# Altium PCB RFMC.PcbDoc (part 1 of 5) (continued)
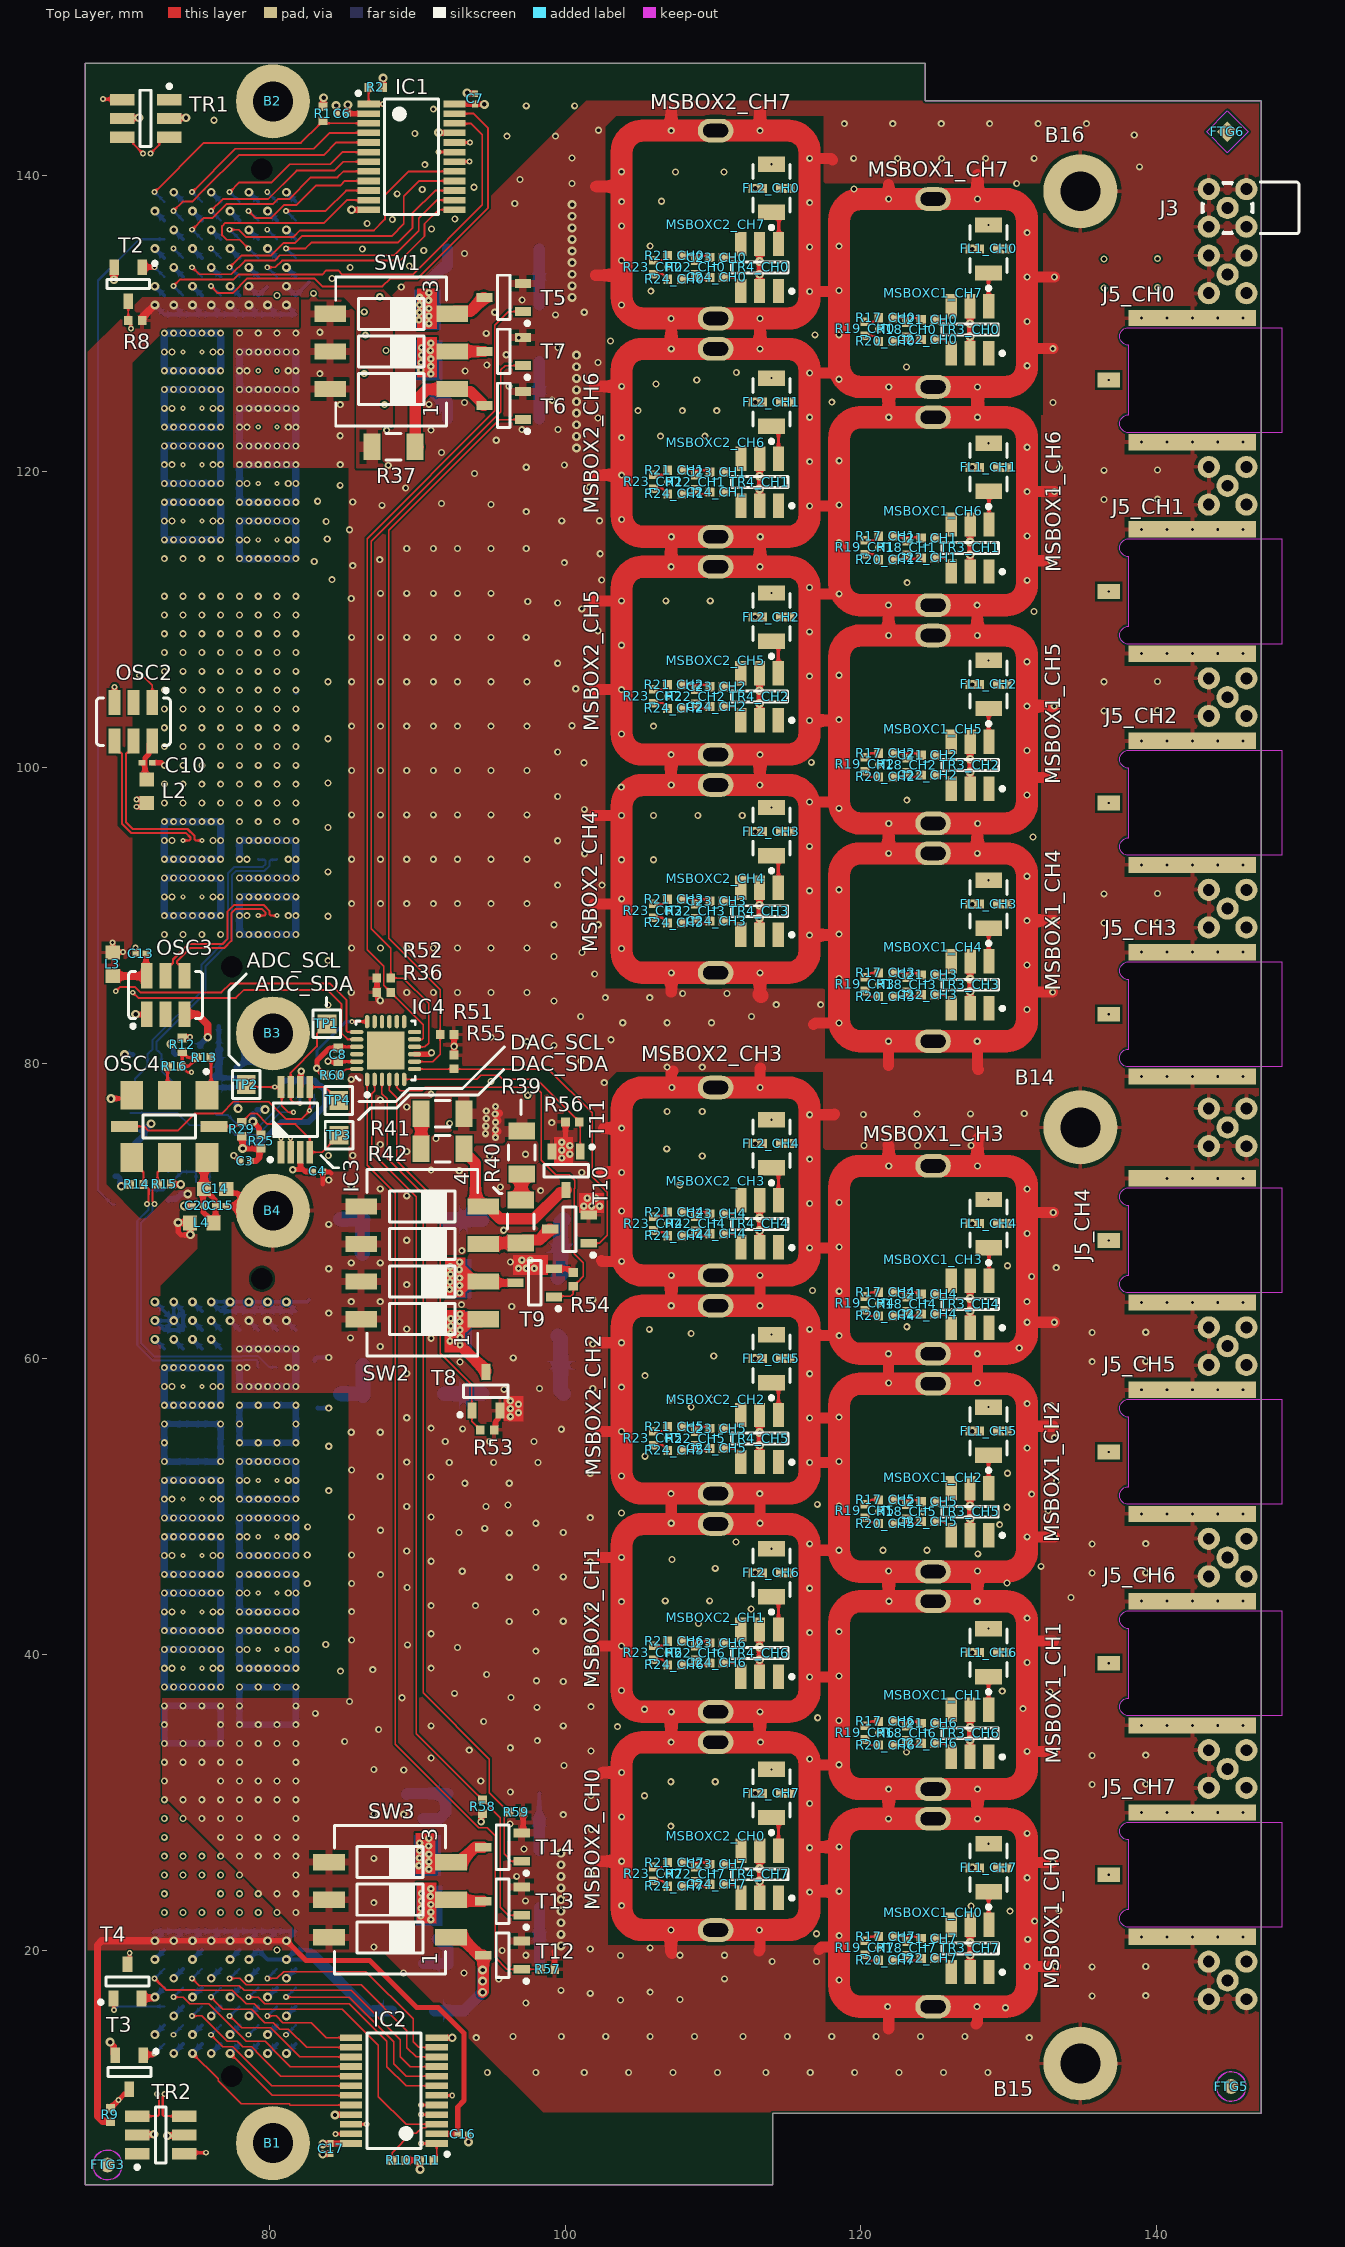
[diagram p0: Top Layer view]
## Components (designator, comment, footprint, x,y, rotation, side; value= is the part's Value field where it differs from the comment)
B1 "Plated Hole" MTG270_500 80.256,7.001 r0 top locked
B2 "Plated Hole" MTG270_500 80.256,145.001 r0 top locked
B3 "Plated Hole" MTG270_500 80.256,82.001 r0 top locked
B4 "Plated Hole" MTG270_500 80.256,70.017 r0 top locked
B14 "Plated Hole" MTG270_500 134.83,75.653 r0 top locked
B15 "Plated Hole" MTG270_500 134.83,12.377 r0 top locked
B16 "Plated Hole" MTG270_500 134.83,138.927 r0 top locked
C1 "4.7uF" CAPC1608X90N 75.85,80.875 r0 bottom
C2 "1nF" CAPC0603X33N 77.8,78 r90 bottom
C3 "100nF" CAPC0603X33N 78.375,73.375 r0 top
C4 "100nF" CAPC0603X33N 83.275,72.675 r180 top
C5 "1nF" CAPC0603X33N 76.25,82.475 r0 bottom
C6 "100nF" CAPC0603X33N 84.925,144.175 r0 top
C7 "100nF" CAPC0603X33N 93.925,145.175 r270 top
C8 "100nF" CAPC1005X55N 84.675,80.575 r90 top
C10 "100nF" CAPC0603X33N 71.75,100.3 r180 top
C13 "100nF" CAPC0603X33N 71.325,87.4 r0 top
C14 "4.7uF" CAPC1608X90N 76.35,71.5 r180 top
C15 "1nF" CAPC0603X33N 76.725,70.35 r180 top
C16 "100nF" CAPC0603X33N 93.1,7.6 r180 top
C17 "100nF" CAPC0603X33N 84.15,6.625 r90 top
C20 "1nF" CAPC0603X33N 75.175,70.35 r0 top
C21_CH0 "100nF" CAPC1005X55N 124.52,130.245 r0 top (schematic designator C21)
C21_CH1 "100nF" CAPC1005X55N 124.525,115.485 r0 top (schematic designator C21)
C21_CH2 "100nF" CAPC1005X55N 124.525,100.81 r0 top (schematic designator C21)
C21_CH3 "100nF" CAPC1005X55N 124.525,85.96 r0 top (schematic designator C21)
C21_CH4 "100nF" CAPC1005X55N 124.525,64.375 r0 top (schematic designator C21)
C21_CH5 "100nF" CAPC1005X55N 124.52,50.345 r0 top (schematic designator C21)
C21_CH6 "100nF" CAPC1005X55N 124.52,35.37 r0 top (schematic designator C21)
C21_CH7 "100nF" CAPC1005X55N 124.525,20.825 r0 top (schematic designator C21)
C22_CH0 "100nF" CAPC1005X55N 124.52,128.905 r0 top (schematic designator C22)
C22_CH1 "100nF" CAPC1005X55N 124.525,114.145 r0 top (schematic designator C22)
C22_CH2 "100nF" CAPC1005X55N 124.525,99.47 r0 top (schematic designator C22)
C22_CH3 "100nF" CAPC1005X55N 124.525,84.62 r0 top (schematic designator C22)
C22_CH4 "100nF" CAPC1005X55N 124.525,63.035 r0 top (schematic designator C22)
C22_CH5 "100nF" CAPC1005X55N 124.52,49.005 r0 top (schematic designator C22)
C22_CH6 "100nF" CAPC1005X55N 124.52,34.03 r0 top (schematic designator C22)
C22_CH7 "100nF" CAPC1005X55N 124.525,19.485 r0 top (schematic designator C22)
C23_CH0 "100nF" CAPC1005X55N 110.245,134.445 r0 top (schematic designator C23)
C23_CH1 "100nF" CAPC1005X55N 110.25,119.94 r0 top (schematic designator C23)
C23_CH2 "100nF" CAPC1005X55N 110.24,105.44 r0 top (schematic designator C23)
C23_CH3 "100nF" CAPC1005X55N 110.24,90.94 r0 top (schematic designator C23)
C23_CH4 "100nF" CAPC1005X55N 110.25,69.8 r0 top (schematic designator C23)
C23_CH5 "100nF" CAPC1005X55N 110.245,55.295 r0 top (schematic designator C23)
C23_CH6 "100nF" CAPC1005X55N 110.245,40.795 r0 top (schematic designator C23)
C23_CH7 "100nF" CAPC1005X55N 110.25,25.835 r0 top (schematic designator C23)
C24_CH0 "100nF" CAPC1005X55N 110.245,133.105 r0 top (schematic designator C24)
C24_CH1 "100nF" CAPC1005X55N 110.25,118.6 r0 top (schematic designator C24)
C24_CH2 "100nF" CAPC1005X55N 110.24,104.1 r0 top (schematic designator C24)
C24_CH3 "100nF" CAPC1005X55N 110.24,89.6 r0 top (schematic designator C24)
C24_CH4 "100nF" CAPC1005X55N 110.25,68.46 r0 top (schematic designator C24)
C24_CH5 "100nF" CAPC1005X55N 110.245,53.955 r0 top (schematic designator C24)
C24_CH6 "100nF" CAPC1005X55N 110.245,39.455 r0 top (schematic designator C24)
C24_CH7 "100nF" CAPC1005X55N 110.25,24.495 r0 top (schematic designator C24)
FL1_CH0 "DC to 1000MHz" FIL_MINI-CIRCUITS_FV1206 128.625,135.025 r90 top (schematic designator FL1)
FL1_CH1 "DC to 1000MHz" FIL_MINI-CIRCUITS_FV1206 128.63,120.265 r90 top (schematic designator FL1)
FL1_CH2 "DC to 1000MHz" FIL_MINI-CIRCUITS_FV1206 128.63,105.59 r90 top (schematic designator FL1)
FL1_CH3 "DC to 1000MHz" FIL_MINI-CIRCUITS_FV1206 128.63,90.74 r90 top (schematic designator FL1)
FL1_CH4 "DC to 1000MHz" FIL_MINI-CIRCUITS_FV1206 128.63,69.155 r90 top (schematic designator FL1)
FL1_CH5 "DC to 1000MHz" FIL_MINI-CIRCUITS_FV1206 128.625,55.125 r90 top (schematic designator FL1)
FL1_CH6 "DC to 1000MHz" FIL_MINI-CIRCUITS_FV1206 128.625,40.15 r90 top (schematic designator FL1)
FL1_CH7 "DC to 1000MHz" FIL_MINI-CIRCUITS_FV1206 128.63,25.605 r90 top (schematic designator FL1)
FL2_CH0 "DC to 1000MHz" FIL_MINI-CIRCUITS_FV1206 113.95,139.125 r90 top (schematic designator FL2)
FL2_CH1 "DC to 1000MHz" FIL_MINI-CIRCUITS_FV1206 113.95,124.675 r90 top (schematic designator FL2)
FL2_CH2 "DC to 1000MHz" FIL_MINI-CIRCUITS_FV1206 113.95,110.15 r90 top (schematic designator FL2)
FL2_CH3 "DC to 1000MHz" FIL_MINI-CIRCUITS_FV1206 113.95,95.65 r90 top (schematic designator FL2)
FL2_CH4 "DC to 1000MHz" FIL_MINI-CIRCUITS_FV1206 113.95,74.55 r90 top (schematic designator FL2)
FL2_CH5 "DC to 1000MHz" FIL_MINI-CIRCUITS_FV1206 113.95,60.025 r90 top (schematic designator FL2)
FL2_CH6 "DC to 1000MHz" FIL_MINI-CIRCUITS_FV1206 113.95,45.55 r90 top (schematic designator FL2)
FL2_CH7 "DC to 1000MHz" FIL_MINI-CIRCUITS_FV1206 113.95,30.635 r90 top (schematic designator FL2)
FTG1 "Use only in PCB" FIDUCIAL_TOP_C100-200 144.4,11.9 r270 bottom
FTG2 "Use only in PCB" FIDUCIAL_TOP_S100-200 144.725,142.85 r270 bottom
FTG3 "Use only in PCB" FIDUCIAL_TOP_C100-200 69.075,5.525 r270 top
FTG4 "Use only in PCB" FIDUCIAL_TOP_S100-200 70.225,6.525 r270 bottom
FTG5 "Use only in PCB" FIDUCIAL_TOP_C100-200 145.025,10.825 r270 top
FTG6 "Use only in PCB" FIDUCIAL_TOP_S100-200 144.775,142.95 r270 top
IC1 "TCA6416APWR" SOP65P640X120-24N 89.625,141.25 r0 top
IC2 "TCA6416APWR" SOP65P640X120-24N 88.425,10.55 r180 top
IC3 "PCA9540BDP" SOP65P490X110-8N 81.775,76.175 r90 top
IC4 "TCA9539RTWR" QFN50P400X400X80-25N-S255 87.875,80.85 r90 top
J1 "" SAMTEC_LPAM-40-01.0-S-08 77.482,113.461 r270 bottom
J2 "" SAMTEC_LPAM-40-01.0-S-08 77.482,38.461 r270 bottom
J3 "Coax_1Female_1Shield" HUBER-SUHNER_85_MMCX-50-0-1/111_OE 144.78,137.8 r0 top
J4 "Coax_1Female_1Shield" HUBER-SUHNER_85_MMCX-50-0-1/111_OE 144.78,17.996 r0 bottom
J5_CH0 "SMA" TELEGARTNER_J01151A0451 136.75,126.165 r0 top (schematic designator J5)
J5_CH1 "SMA" TELEGARTNER_J01151A0451 136.75,111.875 r0 top (schematic designator J5)
J5_CH2 "SMA" TELEGARTNER_J01151A0451 136.75,97.585 r0 top (schematic designator J5)
J5_CH3 "SMA" TELEGARTNER_J01151A0451 136.75,83.295 r0 top (schematic designator J5)
J5_CH4 "SMA" TELEGARTNER_J01151A0451 136.75,68.011 r0 top (schematic designator J5)
J5_CH5 "SMA" TELEGARTNER_J01151A0451 136.75,53.721 r0 top (schematic designator J5)
J5_CH6 "SMA" TELEGARTNER_J01151A0451 136.75,39.431 r0 top (schematic designator J5)
J5_CH7 "SMA" TELEGARTNER_J01151A0451 136.75,25.141 r0 top (schematic designator J5)
J6_CH0 "Coax_1Female_1Shield" HUBER-SUHNER_85_MMCX-50-0-1/111_OE 144.78,133.31 r0 bottom (schematic designator J6)
J6_CH1 "Coax_1Female_1Shield" HUBER-SUHNER_85_MMCX-50-0-1/111_OE 144.78,119.02 r0 bottom (schematic designator J6)
J6_CH2 "Coax_1Female_1Shield" HUBER-SUHNER_85_MMCX-50-0-1/111_OE 144.78,104.73 r0 bottom (schematic designator J6)
J6_CH3 "Coax_1Female_1Shield" HUBER-SUHNER_85_MMCX-50-0-1/111_OE 144.78,90.44 r0 bottom (schematic designator J6)
J6_CH4 "Coax_1Female_1Shield" HUBER-SUHNER_85_MMCX-50-0-1/111_OE 144.78,75.653 r0 bottom (schematic designator J6)
J6_CH5 "Coax_1Female_1Shield" HUBER-SUHNER_85_MMCX-50-0-1/111_OE 144.78,60.866 r0 bottom (schematic designator J6)
J6_CH6 "Coax_1Female_1Shield" HUBER-SUHNER_85_MMCX-50-0-1/111_OE 144.78,46.576 r0 bottom (schematic designator J6)
J6_CH7 "Coax_1Female_1Shield" HUBER-SUHNER_85_MMCX-50-0-1/111_OE 144.78,32.286 r0 bottom (schematic designator J6)
L1 "120R@100MHz" INDC1608X95N 78.9,77.625 r90 bottom
L2 "120R@100MHz" INDC1608X95N 71.725,98.375 r90 top
L3 "120R@100MHz" INDC1608X95N 69.425,86.675 r270 top
L4 "120R@100MHz" INDC1608X95N 75.45,69.2 r0 top
MSBOX1_CH0 "Metal Screening Box 2 Pins" MSBOX_WURTH_3670130#1 124.875,22.57 r180 top locked (schematic designator MSBOX1)
MSBOX1_CH1 "Metal Screening Box 2 Pins" MSBOX_WURTH_3670130#2 124.875,37.275 r180 top locked (schematic designator MSBOX1)
MSBOX1_CH2 "Metal Screening Box 2 Pins" MSBOX_WURTH_3670130#2 124.875,51.975 r180 top locked (schematic designator MSBOX1)
MSBOX1_CH3 "Metal Screening Box 2 Pins" MSBOX_WURTH_3670130#2 124.875,66.7 r180 top locked (schematic designator MSBOX1)
MSBOX1_CH4 "Metal Screening Box 2 Pins" MSBOX_WURTH_3670130#2 124.875,87.825 r180 top locked (schematic designator MSBOX1)
MSBOX1_CH5 "Metal Screening Box 2 Pins" MSBOX_WURTH_3670130#2 124.875,102.55 r180 top locked (schematic designator MSBOX1)
MSBOX1_CH6 "Metal Screening Box 2 Pins" MSBOX_WURTH_3670130#2 124.875,117.3 r180 top locked (schematic designator MSBOX1)
MSBOX1_CH7 "Metal Screening Box 2 Pins" MSBOX_WURTH_3670130#2 124.875,132.05 r180 top locked (schematic designator MSBOX1)
MSBOX2_CH0 "Metal Screening Box 2 Pins" MSBOX_WURTH_3670130#1 110.175,27.75 r180 top locked (schematic designator MSBOX2)
MSBOX2_CH1 "Metal Screening Box 2 Pins" MSBOX_WURTH_3670130#2 110.175,42.5 r180 top locked (schematic designator MSBOX2)
MSBOX2_CH2 "Metal Screening Box 2 Pins" MSBOX_WURTH_3670130#1 110.175,57.25 r180 top locked (schematic designator MSBOX2)
MSBOX2_CH3 "Metal Screening Box 2 Pins" MSBOX_WURTH_3670130#3 110.175,72 r180 top locked (schematic designator MSBOX2)
MSBOX2_CH4 "Metal Screening Box 2 Pins" MSBOX_WURTH_3670130#4 110.175,92.45 r180 top locked (schematic designator MSBOX2)
MSBOX2_CH5 "Metal Screening Box 2 Pins" MSBOX_WURTH_3670130#2 110.175,107.2 r180 top locked (schematic designator MSBOX2)
MSBOX2_CH6 "Metal Screening Box 2 Pins" MSBOX_WURTH_3670130#2 110.175,121.925 r180 top locked (schematic designator MSBOX2)
MSBOX2_CH7 "Metal Screening Box 2 Pins" MSBOX_WURTH_3670130#2 110.175,136.675 r180 top locked (schematic designator MSBOX2)
MSBOXC1_CH0 "Top Cover" MSBOX_WURTH_3671130 124.875,22.57 r180 top locked (schematic designator MSBOXC1)
MSBOXC1_CH1 "Top Cover" MSBOX_WURTH_3671130 124.875,37.275 r180 top locked (schematic designator MSBOXC1)
MSBOXC1_CH2 "Top Cover" MSBOX_WURTH_3671130 124.875,51.975 r180 top locked (schematic designator MSBOXC1)
MSBOXC1_CH3 "Top Cover" MSBOX_WURTH_3671130 124.875,66.7 r180 top locked (schematic designator MSBOXC1)
MSBOXC1_CH4 "Top Cover" MSBOX_WURTH_3671130 124.875,87.825 r180 top locked (schematic designator MSBOXC1)
MSBOXC1_CH5 "Top Cover" MSBOX_WURTH_3671130 124.875,102.55 r180 top locked (schematic designator MSBOXC1)
MSBOXC1_CH6 "Top Cover" MSBOX_WURTH_3671130 124.875,117.3 r180 top locked (schematic designator MSBOXC1)
MSBOXC1_CH7 "Top Cover" MSBOX_WURTH_3671130 124.875,132.05 r180 top locked (schematic designator MSBOXC1)
MSBOXC2_CH0 "Top Cover" MSBOX_WURTH_3671130 110.175,27.75 r180 top locked (schematic designator MSBOXC2)
MSBOXC2_CH1 "Top Cover" MSBOX_WURTH_3671130 110.175,42.5 r180 top locked (schematic designator MSBOXC2)
MSBOXC2_CH2 "Top Cover" MSBOX_WURTH_3671130 110.175,57.25 r180 top locked (schematic designator MSBOXC2)
MSBOXC2_CH3 "Top Cover" MSBOX_WURTH_3671130 110.175,72 r180 top locked (schematic designator MSBOXC2)
MSBOXC2_CH4 "Top Cover" MSBOX_WURTH_3671130 110.175,92.45 r180 top locked (schematic designator MSBOXC2)
MSBOXC2_CH5 "Top Cover" MSBOX_WURTH_3671130 110.175,107.2 r180 top locked (schematic designator MSBOXC2)
MSBOXC2_CH6 "Top Cover" MSBOX_WURTH_3671130 110.175,121.925 r180 top locked (schematic designator MSBOXC2)
MSBOXC2_CH7 "Top Cover" MSBOX_WURTH_3671130 110.175,136.675 r180 top locked (schematic designator MSBOXC2)
OSC1 "0.2-250MHz" OSC_SILICON-LAB_SI549-A 73.475,76.625 r90 bottom
OSC2 "125MHz" OSC_SILICON-LAB_SI511-6N(3.2X5) 70.825,103.075 r270 top
OSC3 "125MHz" OSC_SILICON-LAB_SI511-6N(3.2X5) 73,84.6 r90 top
OSC4 "0.2-250MHz" OSC_SILICON-LAB_SI549-A 73.25,75.725 r270 top
R1 "10k" RESC1005X40N 83.65,144.17 r270 top
R2 "10k" RESC1005X40N 87.2,145.95 r180 top
R3 "10k" RESC1005X40N 73.2,71.2 r90 bottom
R4 "0" RESC1005X40N 75.525,71.975 r180 bottom
R5 "200" RESC1005X40N 71.305,80.586 r0 bottom
R6 "200" RESC1005X40N 73.18,80.586 r180 bottom
R7 "0" RESC1005X40N 73.645,72.65 r0 bottom
R8 "10k" RESC1005X40N 70.95,130.2 r180 top
R9 "10k" RESC1005X40N 69.275,8.9 r90 top
R10 "10k" RESC1005X40N 88.775,5.825 r180 top
R11 "10k" RESC1005X40N 90.655,5.825 r0 top
R12 "10k" RESC1005X40N 74.125,81.225 r270 top
R13 "0" RESC1005X40N 75.6,80.375 r180 top
R14 "200" RESC1005X40N 71.05,71.8 r0 top
R15 "200" RESC1005X40N 72.925,71.825 r180 top
R16 "0" RESC1005X40N 73.6,79.775 r0 top
R17_CH0 "17R4" RESC1005X40N 121.675,130.375 r0 top (schematic designator R17)
R17_CH1 "17R4" RESC1005X40N 121.68,115.615 r0 top (schematic designator R17)
R17_CH2 "17R4" RESC1005X40N 121.68,100.94 r0 top (schematic designator R17)
R17_CH3 "17R4" RESC1005X40N 121.68,86.09 r0 top (schematic designator R17)
R17_CH4 "17R4" RESC1005X40N 121.68,64.505 r0 top (schematic designator R17)
R17_CH5 "17R4" RESC1005X40N 121.675,50.475 r0 top (schematic designator R17)
R17_CH6 "17R4" RESC1005X40N 121.675,35.5 r0 top (schematic designator R17)
R17_CH7 "17R4" RESC1005X40N 121.68,20.955 r0 top (schematic designator R17)
R18_CH0 "590" RESC1005X40N 123.1,129.575 r90 top (schematic designator R18)
R18_CH1 "590" RESC1005X40N 123.105,114.815 r90 top (schematic designator R18)
R18_CH2 "590" RESC1005X40N 123.105,100.14 r90 top (schematic designator R18)
R18_CH3 "590" RESC1005X40N 123.105,85.29 r90 top (schematic designator R18)
R18_CH4 "590" RESC1005X40N 123.105,63.705 r90 top (schematic designator R18)
R18_CH5 "590" RESC1005X40N 123.1,49.675 r90 top (schematic designator R18)
R18_CH6 "590" RESC1005X40N 123.1,34.7 r90 top (schematic designator R18)
R18_CH7 "590" RESC1005X40N 123.105,20.155 r90 top (schematic designator R18)
R19_CH0 "590" RESC1005X40N 120.275,129.625 r90 top (schematic designator R19)
R19_CH1 "590" RESC1005X40N 120.28,114.865 r90 top (schematic designator R19)
R19_CH2 "590" RESC1005X40N 120.28,100.19 r90 top (schematic designator R19)
R19_CH3 "590" RESC1005X40N 120.28,85.34 r90 top (schematic designator R19)
R19_CH4 "590" RESC1005X40N 120.28,63.755 r90 top (schematic designator R19)
R19_CH5 "590" RESC1005X40N 120.275,49.725 r90 top (schematic designator R19)
R19_CH6 "590" RESC1005X40N 120.275,34.75 r90 top (schematic designator R19)
R19_CH7 "590" RESC1005X40N 120.28,20.205 r90 top (schematic designator R19)
R20_CH0 "17R4" RESC1005X40N 121.675,128.775 r0 top (schematic designator R20)
R20_CH1 "17R4" RESC1005X40N 121.68,114.015 r0 top (schematic designator R20)
R20_CH2 "17R4" RESC1005X40N 121.68,99.34 r0 top (schematic designator R20)
R20_CH3 "17R4" RESC1005X40N 121.68,84.49 r0 top (schematic designator R20)
R20_CH4 "17R4" RESC1005X40N 121.68,62.905 r0 top (schematic designator R20)
R20_CH5 "17R4" RESC1005X40N 121.675,48.875 r0 top (schematic designator R20)
R20_CH6 "17R4" RESC1005X40N 121.675,33.9 r0 top (schematic designator R20)
R20_CH7 "17R4" RESC1005X40N 121.68,19.355 r0 top (schematic designator R20)
R21_CH0 "17R4" RESC1005X40N 107.4,134.575 r0 top (schematic designator R21)
R21_CH1 "17R4" RESC1005X40N 107.405,120.07 r0 top (schematic designator R21)
R21_CH2 "17R4" RESC1005X40N 107.395,105.57 r0 top (schematic designator R21)
R21_CH3 "17R4" RESC1005X40N 107.395,91.07 r0 top (schematic designator R21)
R21_CH4 "17R4" RESC1005X40N 107.405,69.93 r0 top (schematic designator R21)
R21_CH5 "17R4" RESC1005X40N 107.4,55.425 r0 top (schematic designator R21)
R21_CH6 "17R4" RESC1005X40N 107.4,40.925 r0 top (schematic designator R21)
R21_CH7 "17R4" RESC1005X40N 107.405,25.965 r0 top (schematic designator R21)
R22_CH0 "590" RESC1005X40N 108.825,133.775 r90 top (schematic designator R22)
R22_CH1 "590" RESC1005X40N 108.83,119.27 r90 top (schematic designator R22)
R22_CH2 "590" RESC1005X40N 108.82,104.77 r90 top (schematic designator R22)
R22_CH3 "590" RESC1005X40N 108.82,90.27 r90 top (schematic designator R22)
R22_CH4 "590" RESC1005X40N 108.83,69.13 r90 top (schematic designator R22)
R22_CH5 "590" RESC1005X40N 108.825,54.625 r90 top (schematic designator R22)
R22_CH6 "590" RESC1005X40N 108.825,40.125 r90 top (schematic designator R22)
R22_CH7 "590" RESC1005X40N 108.83,25.165 r90 top (schematic designator R22)
R23_CH0 "590" RESC1005X40N 105.975,133.8 r90 top (schematic designator R23)
R23_CH1 "590" RESC1005X40N 105.98,119.295 r90 top (schematic designator R23)
R23_CH2 "590" RESC1005X40N 105.97,104.795 r90 top (schematic designator R23)
R23_CH3 "590" RESC1005X40N 105.97,90.295 r90 top (schematic designator R23)
R23_CH4 "590" RESC1005X40N 105.98,69.155 r90 top (schematic designator R23)
R23_CH5 "590" RESC1005X40N 105.975,54.65 r90 top (schematic designator R23)
R23_CH6 "590" RESC1005X40N 105.975,40.15 r90 top (schematic designator R23)
R23_CH7 "590" RESC1005X40N 105.98,25.19 r90 top (schematic designator R23)
R24_CH0 "17R4" RESC1005X40N 107.4,132.975 r0 top (schematic designator R24)
R24_CH1 "17R4" RESC1005X40N 107.405,118.47 r0 top (schematic designator R24)
R24_CH2 "17R4" RESC1005X40N 107.395,103.97 r0 top (schematic designator R24)
R24_CH3 "17R4" RESC1005X40N 107.395,89.47 r0 top (schematic designator R24)
R24_CH4 "17R4" RESC1005X40N 107.405,68.33 r0 top (schematic designator R24)
R24_CH5 "17R4" RESC1005X40N 107.4,53.825 r0 top (schematic designator R24)
R24_CH6 "17R4" RESC1005X40N 107.4,39.325 r0 top (schematic designator R24)
R24_CH7 "17R4" RESC1005X40N 107.405,24.365 r0 top (schematic designator R24)
R25 "200" RESC1005X40N 79.45,74.7 r270 top
R26 "4k7" RESC1005X40N 81.025,78.32 r90 bottom
R27 "4k7" RESC1005X40N 82.075,78.345 r90 bottom
R28 "4k7" RESC1005X40N 83.05,78.345 r90 bottom
R29 "4k7" RESC1005X40N 78.15,75.525 r270 top
R30 "10" RESC6531X85N 89.1,57.65 r0 bottom
R31 "10" RESC6531X85N 97.15,57.65 r0 bottom
R32 "4R7" RESC6432X120N 97.1,61.55 r180 bottom
R33 "10" RESC6531X85N 89.1,69.45 r0 bottom
R34 "10" RESC6531X85N 97.15,69.425 r0 bottom
R35 "4R7" RESC6432X120N 97.1,65.5 r180 bottom
R36 "10k" RESC1005X40N 87.755,84.775 r180 top
R37 "15" RESC3216X65N 88.4,121.65 r0 top
R38 "15" RESC3216X65N 89.75,15.925 r0 bottom
R39 "13" RESC3216X65N 97.075,73.95 r270 top
R40 "13" RESC3216X65N 97,69.3 r270 top
R41 "13" RESC3216X65N 91.725,76.575 r180 top
R42 "13" RESC3216X65N 91.725,74.2 r0 top
R43 "3R3" RESC6331X70N 95.15,123.55 r0 bottom
R44 "3R3" RESC6331X70N 95.15,127.4 r180 bottom
R45 "3R3" RESC6331X70N 95.15,135.025 r0 bottom
R46 "3R3" RESC6331X70N 95.15,131.25 r180 bottom
R47 "3R3" RESC6331X70N 95.15,19.075 r0 bottom
R48 "3R3" RESC6331X70N 95.15,22.925 r180 bottom
R49 "3R3" RESC6331X70N 95.15,30.625 r0 bottom
R50 "3R3" RESC6331X70N 95.15,26.775 r180 bottom
R51 "10k" RESC1005X40N 92.025,81.925 r0 top
R52 "10k" RESC1005X40N 87.75,85.75 r180 top
R53 "10k" RESC1005X40N 94.75,55.2 r0 top
R54 "10k" RESC1005X40N 100.55,65.375 r90 top
R55 "10k" RESC1005X40N 92.5,80.075 r90 top
R56 "10k" RESC1005X40N 100.5,76.025 r180 top
R57 "10k" RESC1005X40N 98.825,18.75 r0 top
R58 "10k" RESC1005X40N 94.425,29.75 r270 top
R59 "10k" RESC1005X40N 96.7,29.375 r0 top
R60 "10k" RESC1005X40N 84.3,79.175 r0 top
SW1 "Switch" SW_OMRON_A6SN-3101 88.25,128.1 r180 top
SW2 "Switch" SW_OMRON_A6SN-4101 90.35,66.5 r180 top
SW3 "Switch" SW_OMRON_A6SN-3101 88.175,23.45 r180 top
T1 "BSS138LT1G" SOT95P240X110-3N 70.725,71.4 r0 bottom
T2 "BSS138LT1G" SOT95P240X110-3N 70.476,132.65 r270 top
T3 "BSS138LT1G" SOT95P240X110-3N 70.55,11.8 r270 top
T4 "BSS138LT1G" SOT95P240X110-3N 70.425,17.925 r90 top
T5 "DMN2020LSN-7" SOT95P285X140-3N 95.85,131.75 r180 top
T6 "DMN2020LSN-7" SOT95P285X140-3N 95.85,124.45 r180 top
T7 "DMN2020LSN-7" SOT95P285X140-3N 95.85,128.1 r180 top
T8 "DMN2020LSN-7" SOT95P285X140-3N 94.65,57.825 r90 top
T9 "DMN2020LSN-7" SOT95P285X140-3N 97.95,65.15 r180 top
T10 "DMN2020LSN-7" SOT95P285X140-3N 100.3,68.775 r180 top
T11 "DMN2020LSN-7" SOT95P285X140-3N 100.075,72.725 r270 top
T12 "DMN2020LSN-7" SOT95P285X140-3N 95.775,19.7 r180 top
T13 "DMN2020LSN-7" SOT95P285X140-3N 95.775,23.35 r180 top
T14 "DMN2020LSN-7" SOT95P285X140-3N 95.775,27 r180 top
TP1 "Test Point" TPS127 83.9,82.65 r0 top
TP2 "Test Point" TPS127 78.45,78.55 r0 top
TP3 "Test Point" TPS127 84.725,75.125 r0 top
TP4 "Test Point" TPS127 84.7,77.475 r0 top
TR1 "1:2" XFMR_MINI-CIRCUITS_DB1627 71.65,143.85 r270 top
TR2 "1:2" XFMR_MINI-CIRCUITS_DB1627 72.675,7.55 r90 top
TR3_CH0 "1:2" XFMR_MINI-CIRCUITS_DB1627 127.375,129.575 r180 top (schematic designator TR3)
TR3_CH1 "1:2" XFMR_MINI-CIRCUITS_DB1627 127.38,114.815 r180 top (schematic designator TR3)
TR3_CH2 "1:2" XFMR_MINI-CIRCUITS_DB1627 127.38,100.14 r180 top (schematic designator TR3)
TR3_CH3 "1:2" XFMR_MINI-CIRCUITS_DB1627 127.38,85.29 r180 top (schematic designator TR3)
TR3_CH4 "1:2" XFMR_MINI-CIRCUITS_DB1627 127.38,63.705 r180 top (schematic designator TR3)
TR3_CH5 "1:2" XFMR_MINI-CIRCUITS_DB1627 127.375,49.675 r180 top (schematic designator TR3)
TR3_CH6 "1:2" XFMR_MINI-CIRCUITS_DB1627 127.375,34.7 r180 top (schematic designator TR3)
TR3_CH7 "1:2" XFMR_MINI-CIRCUITS_DB1627 127.38,20.155 r180 top (schematic designator TR3)
TR4_CH0 "1:2" XFMR_MINI-CIRCUITS_DB1627 113.15,133.775 r180 top (schematic designator TR4)
TR4_CH1 "1:2" XFMR_MINI-CIRCUITS_DB1627 113.155,119.27 r180 top (schematic designator TR4)
TR4_CH2 "1:2" XFMR_MINI-CIRCUITS_DB1627 113.145,104.77 r180 top (schematic designator TR4)
TR4_CH3 "1:2" XFMR_MINI-CIRCUITS_DB1627 113.145,90.27 r180 top (schematic designator TR4)
TR4_CH4 "1:2" XFMR_MINI-CIRCUITS_DB1627 113.155,69.13 r180 top (schematic designator TR4)
TR4_CH5 "1:2" XFMR_MINI-CIRCUITS_DB1627 113.15,54.625 r180 top (schematic designator TR4)
TR4_CH6 "1:2" XFMR_MINI-CIRCUITS_DB1627 113.15,40.125 r180 top (schematic designator TR4)
TR4_CH7 "1:2" XFMR_MINI-CIRCUITS_DB1627 113.155,25.165 r180 top (schematic designator TR4)

## Footprints (in the part's own frame and the unit in brackets; to place one, negate y for a bottom-side part, rotate by r counter-clockwise, add the part's x,y. Pads: shape width x height; smd on the part's side, far side on the other; paste and mask are expansions set on the pad)
CAPC0603X33N [mm] "Chip Capacitor, Body 0.6x0.30mm, IPC Medium Density"
  rect 0.45x0.4 smd: 1(-0.35,0) 2(0.35,0)
  body extent -0.31,-0.16 0.32,0.17, height 0.33
CAPC1005X55N [mm] "Capacitor, Non-Polarized, Chip; 1.00mm L X 0.50mm W X 0.70mm H, IPC Medium Density"
  rect 0.62x0.62 smd: 1(-0.45,0) 2(0.45,0)
  body extent -0.52,-0.27 0.53,0.28, height 0.55
CAPC1608X90N [mm] "Chip Capacitor, Body 1.6x0.8mm IPC Medium Density"
  rect 0.95x0.95 smd: 1(-0.75,0) 2(0.75,0)
  body extent -0.85,-0.45 0.85,0.45, height 0.9
FIDUCIAL_TOP_C100-200 [mm] "Round Fiducial Target, Top Layer, 1.0mm, Top Solder 2.0mm, Keepout =2.0mm"
  round 1 smd paste-0.51 mask+0.5: FTG2(0,0)
  Top Layer keep-out circle w0.1: c0,0 r1
FIDUCIAL_TOP_S100-200 [mm] "Square Fiducial Target, Top Layer, 1.0mm, Top Solder 2.0mm, Keepout =2.0mm"
  rect 1x1 smd rot 45 paste-0.51 mask+0.5: 1(0,0)
  Top Layer keep-out region: 1.414,0 0,-1.414 -1.414,0 0,1.414
FIL_MINI-CIRCUITS_FV1206 [mm] "MINI-CIRCUITS Case FV1206 - Body 3.2x1.6mm"
  rect 1.04x1.8 smd: 1(-1.625,0) 3(1.625,0)
  rect 0.61x1.245 smd: 2(0,-0.928) 4(0,0.927)
  silkscreen extent -2.77,-1.25 1.6,1.25, body extent -1.6,-0.8 1.6,0.8, height 0.94
HUBER-SUHNER_85_MMCX-50-0-1/111_OE [mm] "MMCX 50 Ohm Right Angle PCB Jack"
  round 1.5 hole 0.8: 1(0,0) 2(-1.27,-1.27) 2(-1.27,1.27) 2(1.27,-1.27) 2(1.27,1.27)
  silkscreen extent -1.73,-1.74 4.82,1.74, body extent -1.73,-1.74 4.82,1.74, height 3.8
INDC1608X95N [mm] "Chip Inductor, 2-Leads, EIA 0603, Metric 1608, Body 1.6x0.8mm, IPC Medium Density"
  rect 0.95x1 smd: 1(-0.8,0) 2(0.8,0)
  body extent -0.87,-0.47 0.88,0.48, height 0.95
MSBOX_WURTH_3670130#1 [mm] "Two-Piece Seamless Shielding Cabinet SMD-Frame WE-SHC, Internal Dimensions 12.4 x 12.4mm"
  oval 2.4x1.6 hole 0.9 slot 1.7 at 0 deg: 1(0,6.35) 2(0,-6.35)
  Top Layer lines w1.5: -2.974,6.35 -4.9,6.35 ; -4.9,6.35 ccw(c-4.9,4.9) -6.35,4.9 -6.35,-4.9 ccw(c-4.9,-4.9) -4.9,-6.35 0,-6.35 4.9,-6.35 ccw(c4.9,-4.9) 6.35,-4.9 6.35,4.9 ccw(c4.9,4.9) 4.9,6.35 0,6.35 -4.9,6.35
  body extent -6.5,-6.5 6.5,6.5, height 5
MSBOX_WURTH_3670130#2 [mm] "Two-Piece Seamless Shielding Cabinet SMD-Frame WE-SHC, Internal Dimensions 12.4 x 12.4mm"
  oval 2.4x1.6 hole 0.9 slot 1.7 at 0 deg: 1(0,6.35) 2(0,-6.35)
  Top Layer lines w1.5: 6.35,4.9 ccw(c4.9,4.9) 4.9,6.35 0,6.35 -4.9,6.35 ccw(c-4.9,4.9) -6.35,4.9 -6.35,-4.9 ccw(c-4.9,-4.9) -4.9,-6.35 0,-6.35 4.9,-6.35 ccw(c4.9,-4.9) 6.35,-4.9 6.35,4.9
  body extent -6.5,-6.5 6.5,6.5, height 5
MSBOX_WURTH_3670130#3 [mm] "Two-Piece Seamless Shielding Cabinet SMD-Frame WE-SHC, Internal Dimensions 12.4 x 12.4mm"
  oval 2.4x1.6 hole 0.9 slot 1.7 at 0 deg: 1(0,6.35) 2(0,-6.35)
  Top Layer lines w1.5: 2.958,-6.35 4.9,-6.35 ; -2.999,6.35 -4.9,6.35 ; 4.9,-6.35 ccw(c4.9,-4.9) 6.35,-4.9 6.35,4.9 ccw(c4.9,4.9) 4.9,6.35 0,6.35 -4.9,6.35 ; 4.9,-6.35 0,-6.35 -4.9,-6.35 cw(c-4.9,-4.9) -6.35,-4.9 -6.35,4.9 cw(c-4.9,4.9) -4.9,6.35
  body extent -6.5,-6.5 6.5,6.5, height 5
MSBOX_WURTH_3670130#4 [mm] "Two-Piece Seamless Shielding Cabinet SMD-Frame WE-SHC, Internal Dimensions 12.4 x 12.4mm"
  oval 2.4x1.6 hole 0.9 slot 1.7 at 0 deg: 1(0,6.35) 2(0,-6.35)
  Top Layer lines w1.5: 6.35,4.9 ccw(c4.9,4.9) 4.9,6.35 2.991,6.35 0,6.35 -2.997,6.35 -4.9,6.35 ccw(c-4.9,4.9) -6.35,4.9 -6.35,-4.9 ccw(c-4.9,-4.9) -4.9,-6.35 0,-6.35 4.9,-6.35 ccw(c4.9,-4.9) 6.35,-4.9 6.35,4.9
  body extent -6.5,-6.5 6.5,6.5, height 5
MSBOX_WURTH_3671130 [mm] "Top Cover For 12.4 x 12.4mm WE-SHC Two-Piece Seamless Shielding Cabinet"
  body extent -76.8,-6.8 -63.2,6.8, height 5.3
MTG270_500 [mm] "Plated Through Hole: Hole Dia.=2.7mm Pad Dia.=5.0mm"
  round 5 hole 2.7: 1(0,0)
OSC_SILICON-LAB_SI511-6N(3.2X5) [mm] "Oscillator Si511 Series, 6 pins, 3.2x5mm"
  rect 1.7x0.8 smd: 1(-1.3,1.27) 2(-1.3,0) 3(-1.3,-1.27) 4(1.3,-1.27) 5(1.3,0) 6(1.3,1.27)
  silkscreen extent -2.22,-2.5 1.6,2.5, body extent -1.6,-2.5 1.6,2.5, height 1.28
OSC_SILICON-LAB_SI549-A [mm] "Oscillator Si549 Series, 8 pins, 5x7mm"
  rect 1.95x1.55 smd: 1(-2.1,2.54) 2(-2.1,0) 3(-2.1,-2.54) 4(2.1,-2.54) 5(2.1,0) 6(2.1,2.54)
  rect 0.75x1.8 smd: 7(0,3.025) 8(0,-3.025)
  silkscreen extent -3.82,-1.78 0.77,2.63, body extent -2.5,-3.5 2.5,3.5, height 1.33
QFN50P400X400X80-25N-S255 [mm] "QFN,0.50mm Pitch, Square; 24 Pin, 4.00mm W X 4.00mm L X 0.80mm H body (w/Thermal Tab 2.55 X 2.55mm), IPC Medium Density"
  oval 0.9x0.3 smd: 1(-1.95,1.25) 2(-1.95,0.75) 3(-1.95,0.25) 4(-1.95,-0.25) 5(-1.95,-0.75) 6(-1.95,-1.25) 13(1.95,-1.25) 14(1.95,-0.75) 15(1.95,-0.25) 16(1.95,0.25) 17(1.95,0.75) 18(1.95,1.25)
  oval 0.3x0.9 smd: 7(-1.25,-1.95) 8(-0.75,-1.95) 9(-0.25,-1.95) 10(0.25,-1.95) 11(0.75,-1.95) 12(1.25,-1.95) 19(1.25,1.95) 20(0.75,1.95) 21(0.25,1.95) 22(-0.25,1.95) 23(-0.75,1.95) 24(-1.25,1.95)
  rect 2.55x2.55 smd: 25(0,0)
  silkscreen extent -3.12,-2 2,2, body extent -2.07,-2.07 2.08,2.08, height 0.8
RESC1005X40N [mm] "Chip Resistor, EIA 0402, Metric 1005, Body 1.0x0.5mm, IPC Medium Density"
  rect 0.58x0.62 smd: 1(-0.47,0) 2(0.47,0)
  body extent -0.52,-0.27 0.53,0.28, height 0.4
RESC3216X65N [mm] "Chip Resistor, EIA 1206, Metric 3216, Body 3.2x1.6mm, IPC Medium Density"
  rect 1.15x1.8 smd: 1(-1.45,0) 2(1.45,0)
  silkscreen extent -0.5,-0.9 0.5,0.9, body extent -1.67,-0.87 1.68,0.88, height 0.65
RESC6331X70N [mm] "Chip Resistor, EIA 2512, Metric 6331, 2-Leads, Body 6.3x3.1mm, IPC Medium Density"
  rect 1.05x3.3 smd: 1(-3.1,0) 2(3.1,0)
  silkscreen extent -2.2,-1.65 2.2,1.65, body extent -3.25,-1.65 3.25,1.65, height 0.7
RESC6432X120N [mm] "EIA 2512, Metric 6432, 2-Leads, Resistor, Chip; 6.35mm L X 3.20mm W X 1.20mm H, IPC Medium Density"
  rect 2.4x3.4 smd: 1(-2.4,0) 2(2.4,0)
  silkscreen extent -0.85,-1.6 0.85,1.6, body extent -3.17,-1.6 3.18,1.6, height 1.2
RESC6531X85N [mm] "Resistor, Chip; 6.5mm L X 3.15mm W X 0.85mm H, IPC Medium Density"
  rect 2x3.3 smd: 1(-2.75,0) 2(2.75,0)
  silkscreen extent -1.4,-1.55 1.4,1.55, body extent -3.25,-1.57 3.25,1.58, height 0.85
SAMTEC_LPAM-40-01.0-S-08 [mm] "Connector 320 Male contacts in 8 row abcdefgh"
  round 0.45 hole 1.45 unplated mask+0.5: 1(-26.95,-2.03) 2(26.95,0)
  round 0.64 smd paste+0.125: a1(-24.765,-4.32) a2(-23.495,-4.32) a3(-22.225,-4.32) a4(-20.955,-4.32) a5(-19.685,-4.32) a6(-18.415,-4.32) a7(-17.145,-4.32) a8(-15.875,-4.32) a9(-14.605,-4.32) a10(-13.335,-4.32) a11(-12.065,-4.32) a12(-10.795,-4.32) a13(-9.525,-4.32) a14(-8.255,-4.32) a15(-6.985,-4.32) a16(-5.715,-4.32) a17(-4.445,-4.32) a18(-3.175,-4.32) a19(-1.905,-4.32) a20(-0.635,-4.32) a21(0.635,-4.32) a22(1.905,-4.32) a23(3.175,-4.32) a24(4.445,-4.32) a25(5.715,-4.32) a26(6.985,-4.32) a27(8.255,-4.32) a28(9.525,-4.32) a29(10.795,-4.32) a30(12.065,-4.32) a31(13.335,-4.32) a32(14.605,-4.32) a33(15.875,-4.32) a34(17.145,-4.32) a35(18.415,-4.32) a36(19.685,-4.32) a37(20.955,-4.32) a38(22.225,-4.32) a39(23.495,-4.32) a40(24.765,-4.32) b1(-24.765,-3.05) b2(-23.495,-3.05) b3(-22.225,-3.05) b4(-20.955,-3.05) b5(-19.685,-3.05) b6(-18.415,-3.05) b7(-17.145,-3.05) b8(-15.875,-3.05) b9(-14.605,-3.05) b10(-13.335,-3.05) b11(-12.065,-3.05) b12(-10.795,-3.05) b13(-9.525,-3.05) b14(-8.255,-3.05) b15(-6.985,-3.05) b16(-5.715,-3.05) b17(-4.445,-3.05) b18(-3.175,-3.05) b19(-1.905,-3.05) b20(-0.635,-3.05) b21(0.635,-3.05) b22(1.905,-3.05) b23(3.175,-3.05) b24(4.445,-3.05) b25(5.715,-3.05) b26(6.985,-3.05) b27(8.255,-3.05) b28(9.525,-3.05) b29(10.795,-3.05) b30(12.065,-3.05) b31(13.335,-3.05) b32(14.605,-3.05) b33(15.875,-3.05) b34(17.145,-3.05) b35(18.415,-3.05) b36(19.685,-3.05) b37(20.955,-3.05) b38(22.225,-3.05) b39(23.495,-3.05) b40(24.765,-3.05) c1(-24.765,-1.78) c2(-23.495,-1.78) c3(-22.225,-1.78) c4(-20.955,-1.78) c5(-19.685,-1.78) c6(-18.415,-1.78) c7(-17.145,-1.78) c8(-15.875,-1.78) c9(-14.605,-1.78) c10(-13.335,-1.78) c11(-12.065,-1.78) c12(-10.795,-1.78) c13(-9.525,-1.78) c14(-8.255,-1.78) c15(-6.985,-1.78) c16(-5.715,-1.78) c17(-4.445,-1.78) c18(-3.175,-1.78) c19(-1.905,-1.78) c20(-0.635,-1.78) c21(0.635,-1.78) c22(1.905,-1.78) c23(3.175,-1.78) c24(4.445,-1.78) c25(5.715,-1.78) c26(6.985,-1.78) c27(8.255,-1.78) c28(9.525,-1.78) c29(10.795,-1.78) c30(12.065,-1.78) c31(13.335,-1.78) c32(14.605,-1.78) c33(15.875,-1.78) c34(17.145,-1.78) c35(18.415,-1.78) c36(19.685,-1.78) c37(20.955,-1.78) c38(22.225,-1.78) c39(23.495,-1.78) c40(24.765,-1.78) d1(-24.765,-0.51) d2(-23.495,-0.51) d3(-22.225,-0.51) d4(-20.955,-0.51) d5(-19.685,-0.51) d6(-18.415,-0.51) d7(-17.145,-0.51) d8(-15.875,-0.51) d9(-14.605,-0.51) d10(-13.335,-0.51) d11(-12.065,-0.51) d12(-10.795,-0.51) d13(-9.525,-0.51) d14(-8.255,-0.51) d15(-6.985,-0.51) d16(-5.715,-0.51) d17(-4.445,-0.51) d18(-3.175,-0.51) d19(-1.905,-0.51) d20(-0.635,-0.51) d21(0.635,-0.51) d22(1.905,-0.51) d23(3.175,-0.51) d24(4.445,-0.51) d25(5.715,-0.51) d26(6.985,-0.51) d27(8.255,-0.51) d28(9.525,-0.51) d29(10.795,-0.51) d30(12.065,-0.51) d31(13.335,-0.51) d32(14.605,-0.51) d33(15.875,-0.51) d34(17.145,-0.51) d35(18.415,-0.51) d36(19.685,-0.51) d37(20.955,-0.51) d38(22.225,-0.51) d39(23.495,-0.51) d40(24.765,-0.51) e1(-24.765,0.76) e2(-23.495,0.76) e3(-22.225,0.76) e4(-20.955,0.76) e5(-19.685,0.76) e6(-18.415,0.76) e7(-17.145,0.76) e8(-15.875,0.76) e9(-14.605,0.76) e10(-13.335,0.76) e11(-12.065,0.76) e12(-10.795,0.76) e13(-9.525,0.76) e14(-8.255,0.76) e15(-6.985,0.76) e16(-5.715,0.76) e17(-4.445,0.76) e18(-3.175,0.76) e19(-1.905,0.76) e20(-0.635,0.76) e21(0.635,0.76) e22(1.905,0.76) e23(3.175,0.76) e24(4.445,0.76) e25(5.715,0.76) e26(6.985,0.76) e27(8.255,0.76) e28(9.525,0.76) e29(10.795,0.76) e30(12.065,0.76) e31(13.335,0.76) e32(14.605,0.76) e33(15.875,0.76) e34(17.145,0.76) e35(18.415,0.76) e36(19.685,0.76) e37(20.955,0.76) e38(22.225,0.76) e39(23.495,0.76) e40(24.765,0.76) f1(-24.765,2.03) f2(-23.495,2.03) f3(-22.225,2.03) f4(-20.955,2.03) f5(-19.685,2.03) f6(-18.415,2.03) f7(-17.145,2.03) f8(-15.875,2.03) f9(-14.605,2.03) f10(-13.335,2.03) f11(-12.065,2.03) f12(-10.795,2.03) f13(-9.525,2.03) f14(-8.255,2.03) f15(-6.985,2.03) f16(-5.715,2.03) f17(-4.445,2.03) f18(-3.175,2.03) f19(-1.905,2.03) f20(-0.635,2.03) f21(0.635,2.03) f22(1.905,2.03) f23(3.175,2.03) f24(4.445,2.03) f25(5.715,2.03) f26(6.985,2.03) f27(8.255,2.03) f28(9.525,2.03) f29(10.795,2.03) f30(12.065,2.03) f31(13.335,2.03) f32(14.605,2.03) f33(15.875,2.03) f34(17.145,2.03) f35(18.415,2.03) f36(19.685,2.03) f37(20.955,2.03) f38(22.225,2.03) f39(23.495,2.03) f40(24.765,2.03) g1(-24.765,3.3) g2(-23.495,3.3) g3(-22.225,3.3) g4(-20.955,3.3) g5(-19.685,3.3) g6(-18.415,3.3) g7(-17.145,3.3) g8(-15.875,3.3) g9(-14.605,3.3) g10(-13.335,3.3) g11(-12.065,3.3) g12(-10.795,3.3) g13(-9.525,3.3) g14(-8.255,3.3) g15(-6.985,3.3) g16(-5.715,3.3) g17(-4.445,3.3) g18(-3.175,3.3) g19(-1.905,3.3) g20(-0.635,3.3) g21(0.635,3.3) g22(1.905,3.3) g23(3.175,3.3) g24(4.445,3.3) g25(5.715,3.3) g26(6.985,3.3) g27(8.255,3.3) g28(9.525,3.3) g29(10.795,3.3) g30(12.065,3.3) g31(13.335,3.3) g32(14.605,3.3) g33(15.875,3.3) g34(17.145,3.3) g35(18.415,3.3) g36(19.685,3.3) g37(20.955,3.3) g38(22.225,3.3) g39(23.495,3.3) g40(24.765,3.3) h1(-24.765,4.57) h2(-23.495,4.57) h3(-22.225,4.57) h4(-20.955,4.57) h5(-19.685,4.57) h6(-18.415,4.57) h7(-17.145,4.57) h8(-15.875,4.57) h9(-14.605,4.57) h10(-13.335,4.57) h11(-12.065,4.57) h12(-10.795,4.57) h13(-9.525,4.57) h14(-8.255,4.57) h15(-6.985,4.57) h16(-5.715,4.57) h17(-4.445,4.57) h18(-3.175,4.57) h19(-1.905,4.57) h20(-0.635,4.57) h21(0.635,4.57) h22(1.905,4.57) h23(3.175,4.57) h24(4.445,4.57) h25(5.715,4.57) h26(6.985,4.57) h27(8.255,4.57) h28(9.525,4.57) h29(10.795,4.57) h30(12.065,4.57) h31(13.335,4.57) h32(14.605,4.57) h33(15.875,4.57) h34(17.145,4.57) h35(18.415,4.57) h36(19.685,4.57) h37(20.955,4.57) h38(22.225,4.57) h39(23.495,4.57) h40(24.765,4.57)
  silkscreen extent -28.78,-6.63 28.78,6.63, body extent -28.78,-6.63 28.78,6.63, height 3.68
SOP65P490X110-8N [mm] "SOP, 0.65mm pitch; 8 pin, 3.00mm W X 3.00mm L X 1.10mm H body, IPC Medium Density"
  rect 1.5x0.45 smd: 1(-2.2,0.975) 2(-2.2,0.325) 3(-2.2,-0.325) 4(-2.2,-0.975) 5(2.2,-0.975) 6(2.2,-0.325) 7(2.2,0.325) 8(2.2,0.975)
  silkscreen extent -2.82,-1.5 1.12,1.82, body extent -2.45,-1.55 2.45,1.55, height 1.1
SOP65P640X120-24N [mm] "SOP, 0.65mm Pitch; 24 Pin, 4.40mm W X 7.80mm L X 1.20mm H Body, IPC Medium Density"
  rect 1.5x0.45 smd: 1(-2.9,3.575) 2(-2.9,2.925) 3(-2.9,2.275) 4(-2.9,1.625) 5(-2.9,0.975) 6(-2.9,0.325) 7(-2.9,-0.325) 8(-2.9,-0.975) 9(-2.9,-1.625) 10(-2.9,-2.275) 11(-2.9,-2.925) 12(-2.9,-3.575) 13(2.9,-3.575) 14(2.9,-2.925) 15(2.9,-2.275) 16(2.9,-1.625) 17(2.9,-0.975) 18(2.9,-0.325) 19(2.9,0.325) 20(2.9,0.975) 21(2.9,1.625) 22(2.9,2.275) 23(2.9,2.925) 24(2.9,3.575)
  silkscreen extent -3.72,-3.9 1.83,4.42, body extent -3.12,-3.95 3.12,3.95, height 1.2
SOT95P240X110-3N [mm] "SOT23 3-Leads, Pitch 0.95mm, Body 1.3x2.9mm, IPC Medium Density"
  rect 1.05x0.65 smd: 1(-1.15,0.95) 2(-1.15,-0.95) 3(1.15,0)
  silkscreen extent -1.52,-1.45 0.3,1.92, body extent -1.25,-1.5 1.25,1.5, height 1.1
SOT95P285X140-3N [mm] "SOT23, 0.95mm Pitch; 3 Pin, 1.6mm W X 3mm L X 1.4mm H Body, IPC Medium Density"
  rect 1.1x0.6 smd: 1(-1.3,0.95) 2(-1.3,-0.95) 3(1.3,0)
  silkscreen extent -1.73,-1.5 0.43,1.87, body extent -1.4,-1.5 1.4,1.5, height 1.4
SW_OMRON_A6SN-3101 [mm] "Pitch 2.54mm, Body 9.6x7.5, 3 Ways SPST Surface-Mounting Slide Switch With Flat Actuator (A6SN Series)witch With Flat Actuator (A6SN Series)"
  rect 2.15x1.1 smd: 1(-4.125,2.54) 2(-4.125,0) 3(-4.125,-2.54) 4(4.125,-2.54) 5(4.125,0) 6(4.125,2.54)
  silkscreen extent -3.75,-5.03 3.75,5.03, body extent -4.65,-5.03 4.65,5.03, height 4.6
SW_OMRON_A6SN-4101 [mm] "Pitch 2.54mm, Body 9.6x7.5, 3 Ways SPST Surface-Mounting Slide Switch With Flat Actuator (A6SN Series)witch With Flat Actuator (A6SN Series)"
  rect 2.15x1.1 smd: 1(-4.125,3.81) 2(-4.125,1.27) 3(-4.125,-1.27) 4(-4.125,-3.81) 5(4.125,-3.81) 6(4.125,-1.27) 7(4.125,1.27) 8(4.125,3.81)
  silkscreen extent -3.75,-6.3 3.75,6.3, body extent -4.65,-6.3 4.65,6.3, height 4.6
TELEGARTNER_J01151A0451 [mm] "SMA 50 ohm Edge Mount Bulkhead Jack Receptacle"
  rect 1.5x1 smd: 1(0,0)
  rect 8.6x1.1 smd: 2(5.65,-4.2) 2(5.65,4.2)
  Keep-Out Layer board cut-out: 1.35,-3.55 1.231,-3.55 1.01,-3.459 0.841,-3.29 0.75,-3.069 0.75,-2.831 0.841,-2.61 1.01,-2.441 1.231,-2.35 1.35,-2.35 1.35,2.35 1.231,2.35 1.01,2.441 0.841,2.61 0.75,2.831 0.75,3.069 0.841,3.29 1.01,3.459 1.231,3.55 1.35,3.55 11.7,3.55 11.7,-3.55
  body extent -0.65,-4.75 21.45,4.75, height 5.25
TPS127 [mm] "1.27 x  1.27mm SMD Test Point Area"
  rect 1.27x1.27 smd paste-1.27: 1(0,0)
  silkscreen extent -0.94,-0.94 0.94,0.94
XFMR_MINI-CIRCUITS_DB1627 [mm] "MINI-CIRCUITS RF Transformer, Case DB1627 - Body 4.06X3.81mm"
  rect 0.76x1.65 smd: 1(-1.27,1.59) 2(0,1.59) 3(1.27,1.59) 4(1.27,-1.59) 5(0,-1.59) 6(-1.27,-1.59)
  silkscreen extent -2.3,-0.37 1.91,1.73, body extent -1.9,-2.03 1.91,2.03, height 4.06